# Altium PCB ChipTestBoardQFN32-r2.PcbDoc
Units mm, origin at the board's own origin, x right, y up, seen from the top; angles counter-clockwise.
Board outline 65.75 x 45.25 mm, 4 copper layers (Top Layer, Layer 1, Layer 2, Bottom Layer), stack 1.446 mm thick; 112 components, 78 nets, 337 pads, 220 vias.
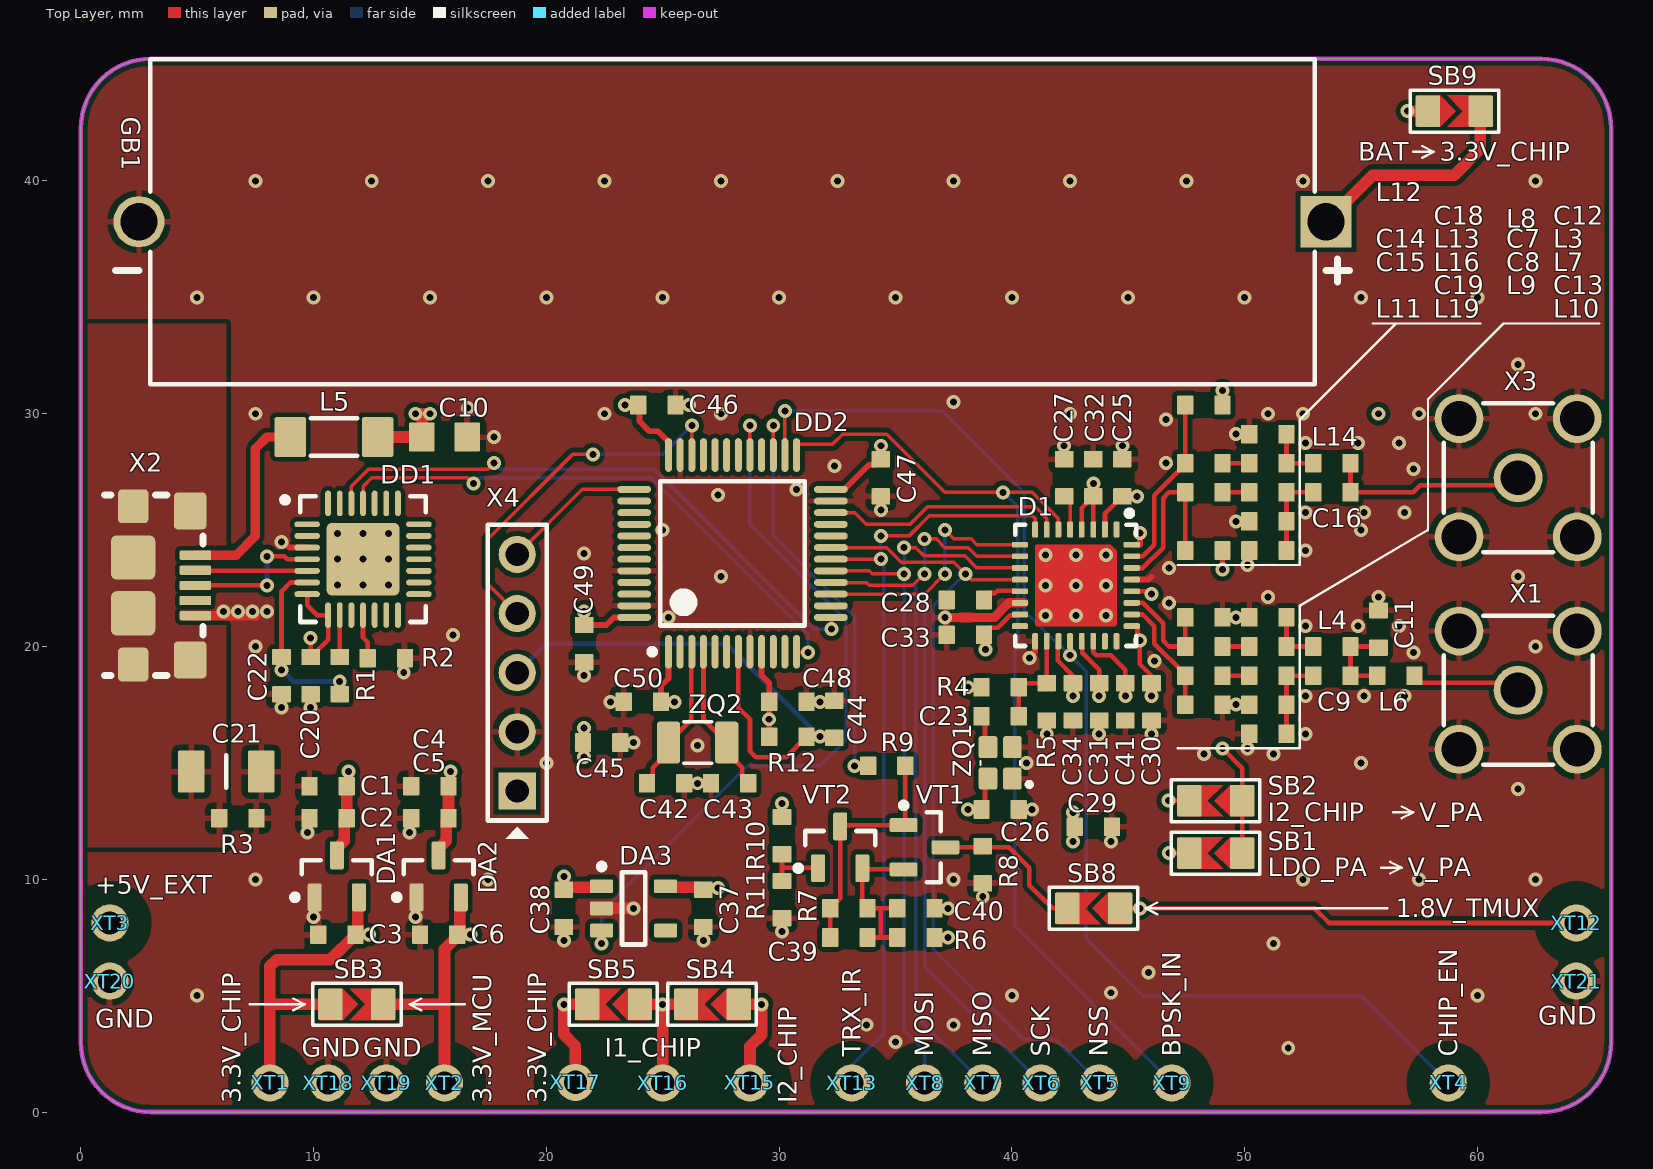
[diagram p0: Top Layer view]
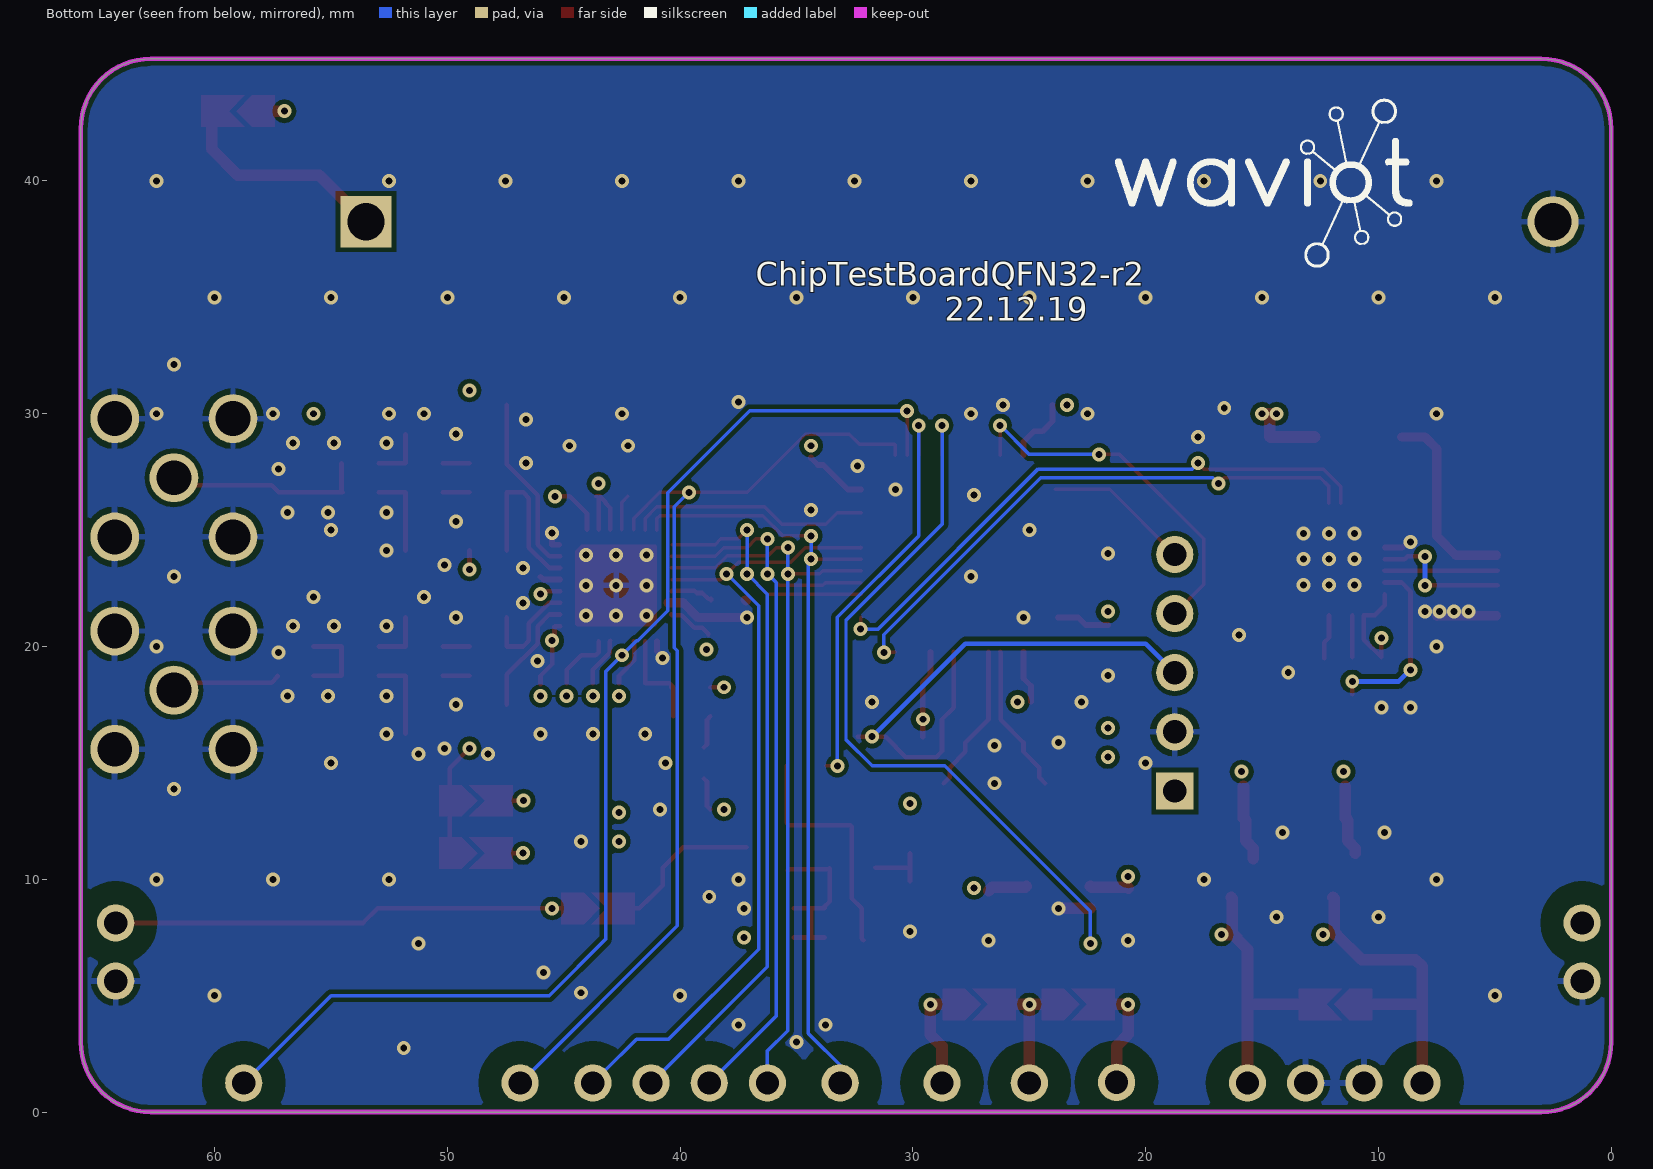
[diagram p1: Bottom Layer view, seen from below]
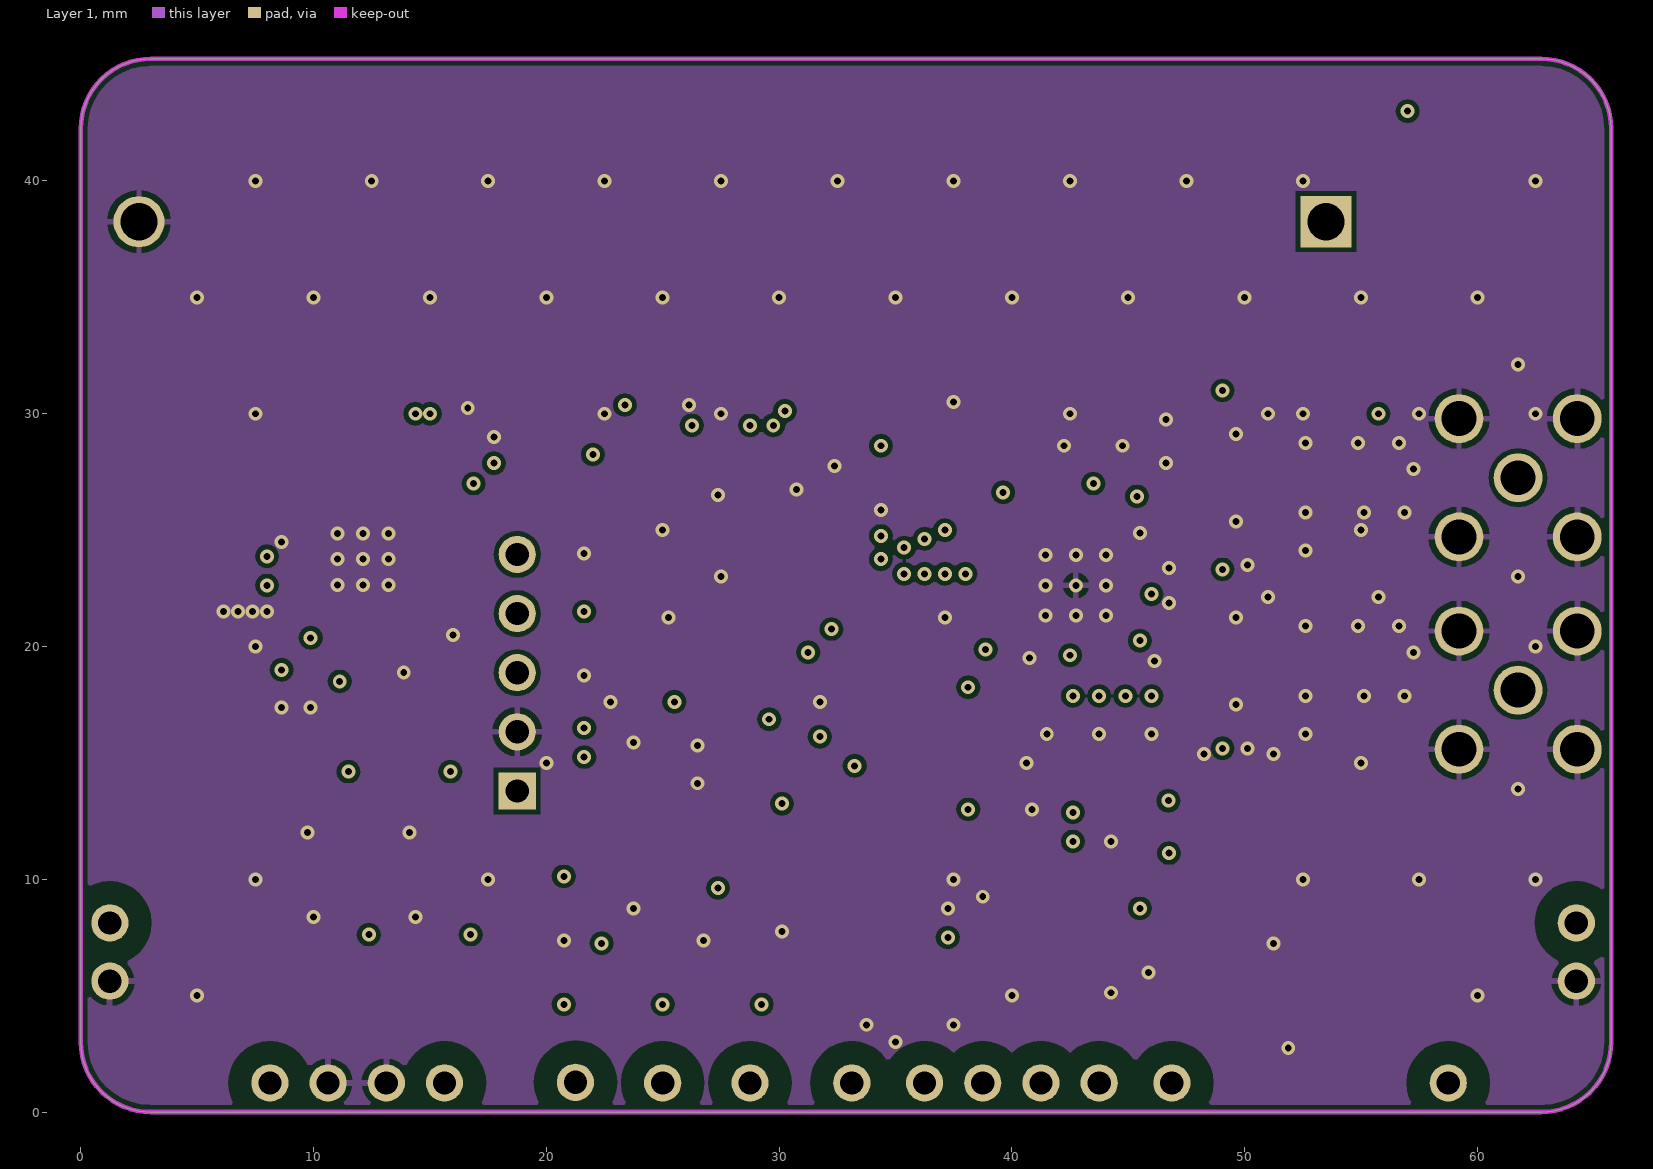
[diagram p2: Layer 1]
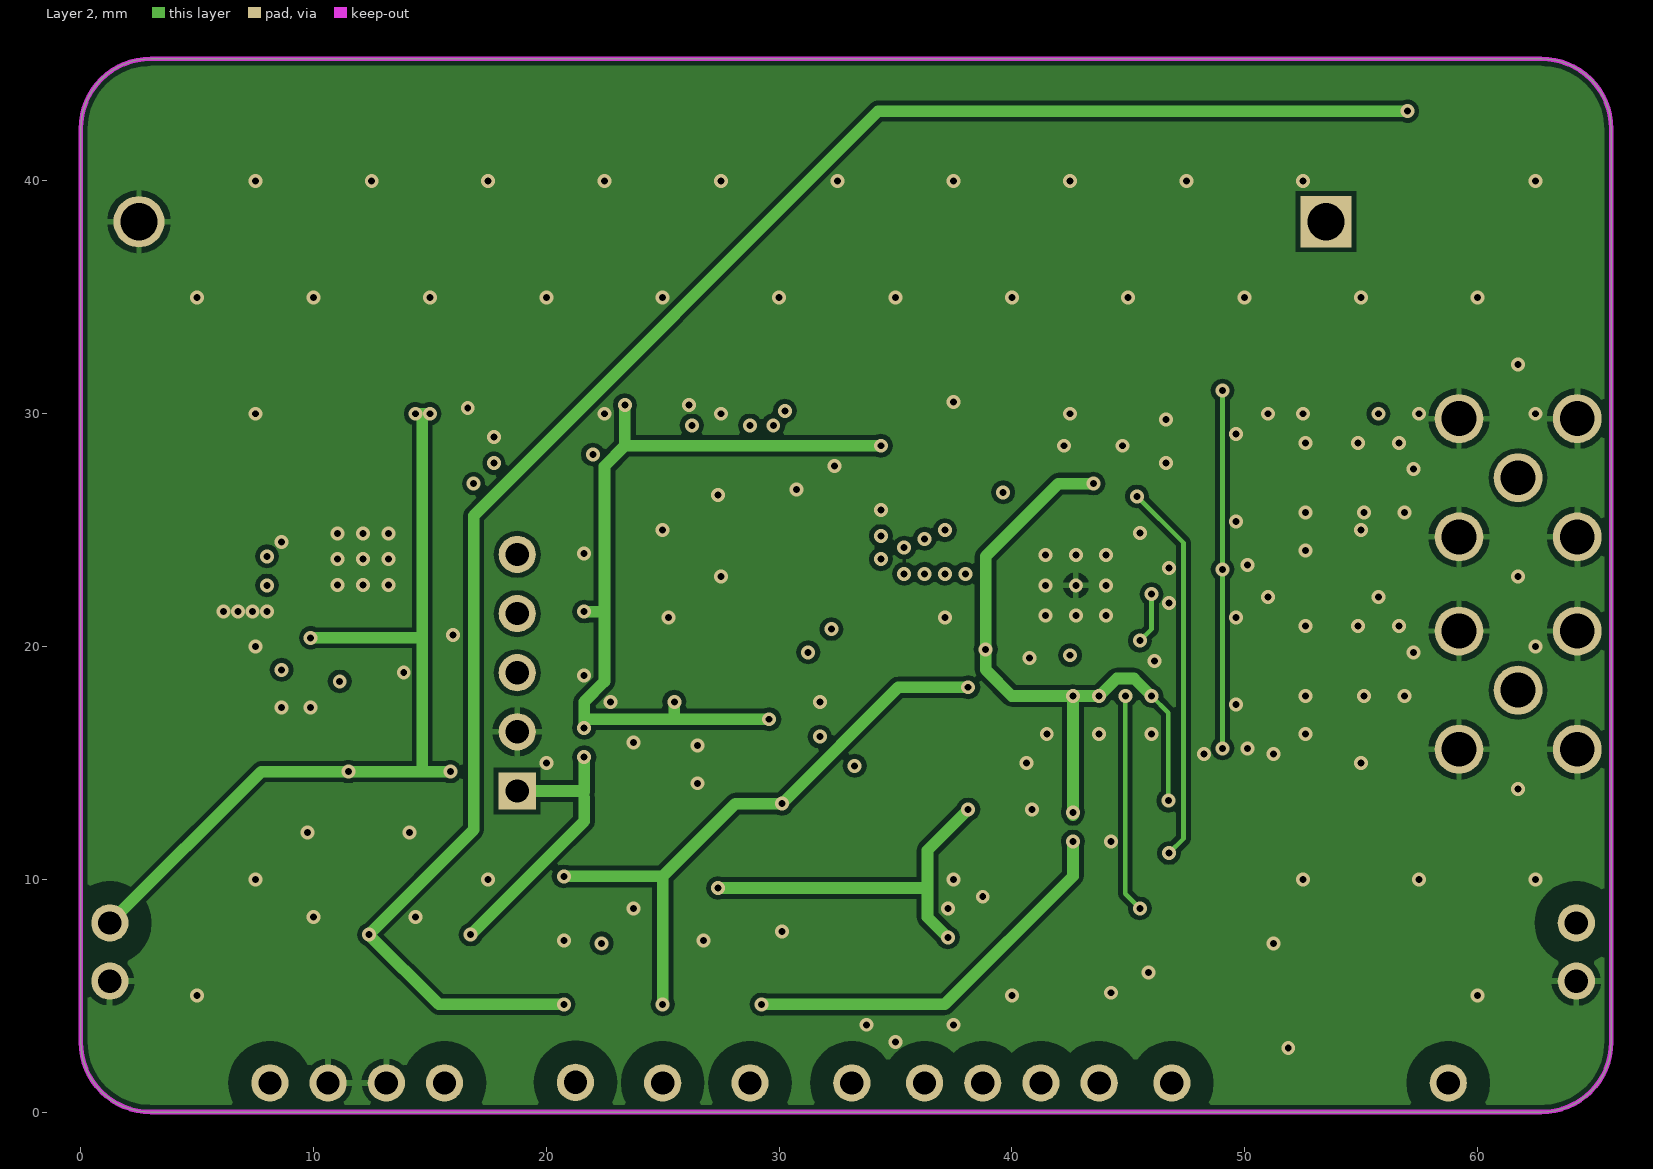
[diagram p3: Layer 2]
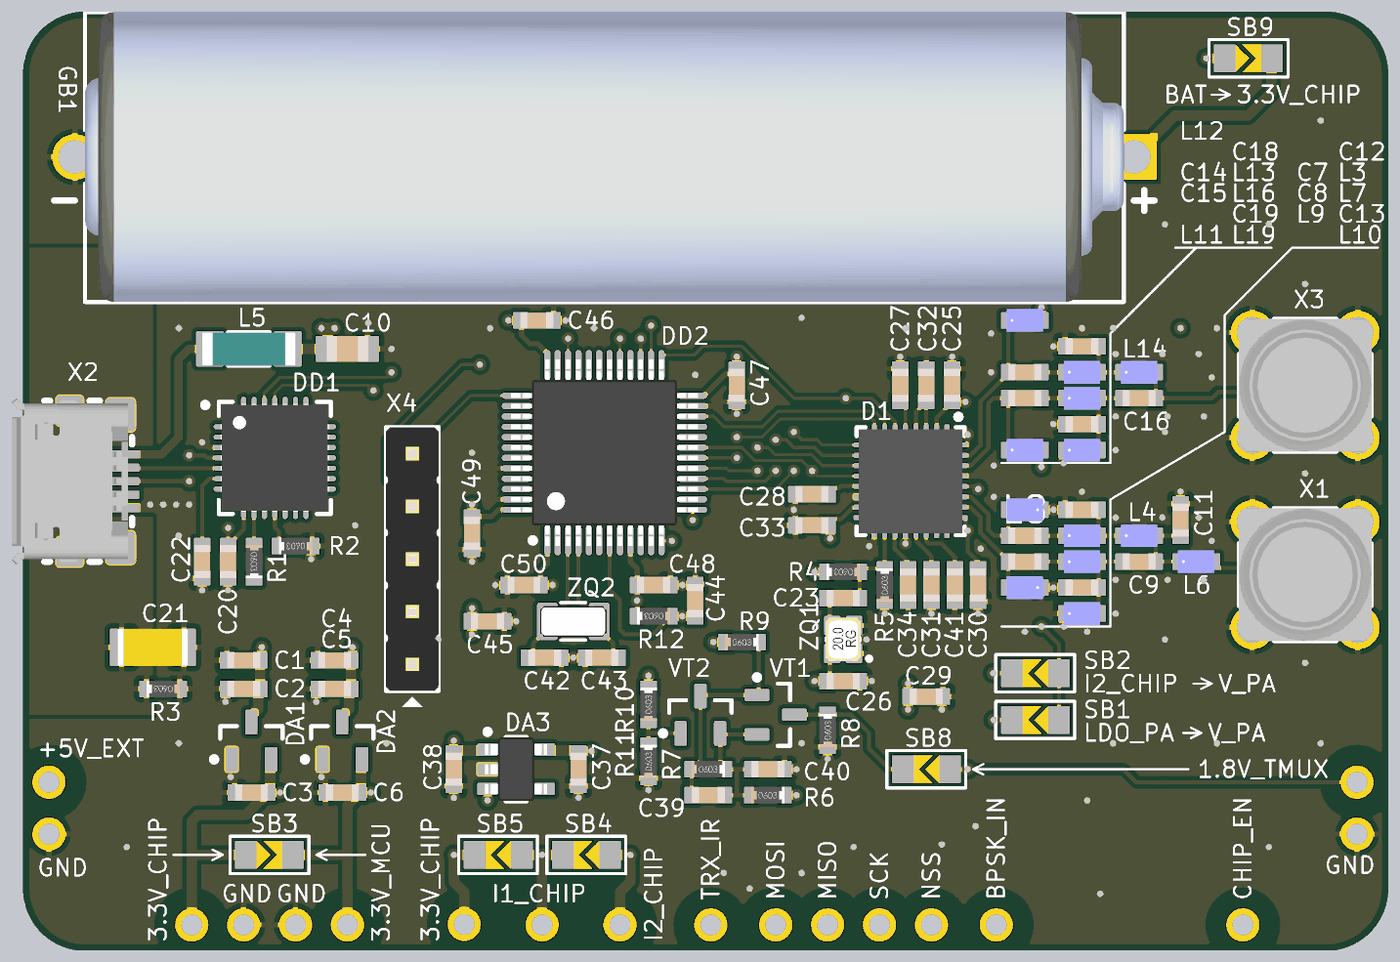
[diagram p4: 3D render of the assembled board from above, using the file's embedded part models]

## Layer stack, top to bottom
Top Solder: solder mask 0.0102, Solder Resist, Dk 3.5
Top Layer: signal copper 0.035
Dielectric 2: prepreg 0.32, PP-006, Dk 4.1
Layer 1: signal copper 0.018
Dielectric 1: dielectric 0.7, FR-4, Dk 4.8
Layer 2: signal copper 0.018
Dielectric 3: prepreg 0.32, PP-006, Dk 4.1
Bottom Layer: signal copper 0.035
Bottom Solder: solder mask 0.0102, Solder Resist, Dk 3.5

## Board outline
3,0 cw(c3,3) 0,3 0,42.25 cw(c3,42.25) 3,45.25 62.75,45.25 cw(c62.75,42.25) 65.75,42.25 65.75,3 cw(c62.75,3) 62.75,0

## Design rules (kind name [scope] priority, off if disabled: settings)
Clearance Clearance_SOLD_PAD [InComponent('XT1','XT2','XT3','XT4','XT5','XT6','XT7','XT8','XT9','XT10','XT11','XT12','XT13','XT14','XT15','XT16','XT17','XT18','XT19','XT20','XT21')] p1: gap=0.125 ignorepadtopadclearanceinfootprint=FALSE except(0: Arc-Hole Track-Hole SMDPad-Hole THPad-Hole Via-Hole Fill-Hole Poly-Hole Region-Hole Text-Hole; 1: Arc-Fill Arc-Poly Arc-Region Track-Fill Track-Poly Track-Region SMDPad-Fill SMDPad-Poly SMDPad-Region THPad-Fill THPad-Poly THPad-Region Via-Fill Via-Poly Via-Region Fill-Fill Fill-Poly Fill-Region Poly-Poly Poly-Region Region-Region)
Clearance [All] p2: gap=0.125 ignorepadtopadclearanceinfootprint=FALSE except(0: Arc-Hole Track-Hole SMDPad-Hole THPad-Hole Via-Hole Fill-Hole Poly-Hole Region-Hole Text-Hole; 0.2: Arc-Fill Arc-Poly Arc-Region Track-Fill Track-Poly Track-Region SMDPad-Fill SMDPad-Poly SMDPad-Region THPad-Fill THPad-Poly THPad-Region Via-Fill Via-Poly Via-Region Fill-Fill Fill-Poly Fill-Region Poly-Poly Poly-Region Region-Region)
ComponentClearance [All] p1: gap=0.125 collisioncheckmode=3 verticalgap=0.254 showdistances=FALSE
MinimumSolderMaskSliver [All] p1: minsoldermaskwidth=0.05
PolygonConnect PolygonConnect_DC/DC [InComponent('DA1','DA2','DA3','X2')] p1: connectstyle=Direct reliefconductorwidth=0.254 reliefentries=4 polygonreliefangle="90 Angle" airgapwidth=0.254
PolygonConnect [All] p2: thpad.connectstyle=Relief thpad.reliefconductorwidth=0.254 thpad.reliefentries=4 thpad.polygonreliefangle="90 Angle" thpad.airgapwidth=0.254 smdpad.connectstyle=Relief smdpad.reliefconductorwidth=0.254 smdpad.reliefentries=4 smdpad.polygonreliefangle="90 Angle" smdpad.airgapwidth=0.254 via.connectstyle=Direct via.reliefconductorwidth=0.254 via.reliefentries=4 via.polygonreliefangle="90 Angle" via.airgapwidth=0.254
RoutingVias [All] p1: holewidth=0.3 width=0.6 viastyle="Through Hole" minholewidth=0.3 minwidth=0.6 maxholewidth=1.2 maxwidth=1.5
SilkToSilkClearance [All] p1: silktosilkclearance=0
SilkToSolderMaskClearance [IsPad] p1: minsilkscreentomaskgap=0.05 clearancetoexposedcopper=TRUE
SolderMaskExpansion [All] p1: expansion=0.05
Width [All] p1: maxlimit=0.5 minlimit=0.125 preferedwidth=0.25
26 further rules are at their usual default settings.

## Components (designator, comment, footprint, x,y, rotation, side; value= is the part's Value field where it differs from the comment)
C1 "1u 16V" C0603 10.625,14 r0 top
C2 "0.1u 16V" C0603 10.625,12.625 r0 top
C3 "0.1u 16V" C0603 11,7.625 r0 top
C4 "1u 16V" C0603 15,14 r0 top
C5 "0.1u 16V" C0603 15,12.625 r0 top
C6 "0.1u 16V" C0603 15.375,7.625 r0 top
C7 "2.7p 50V" C0603 48.25,20 r0 top
C8 "2.7p 50V" C0603 48.25,18.75 r0 top
C9 "2.7p 50V" C0603 53.75,18.75 r0 top
C10 "10u 10V" C0805 15.625,29 r180 top
C11 "5.1p 50V" C0603 55.75,20.75 r270 top
C12 "6.2p 50V" C0603 51,21.25 r180 top
C13 "3.6p 50V" C0603 51,17.5 r180 top
C14 "100p 50V" C0603 48.25,27.875 r0 top
C15 "100p 50V" C0603 48.25,26.625 r0 top
C16 "2.7p 50V" C0603 53.75,26.625 r0 top
C18 "6.2p 50V" C0603 51,29.125 r180 top
C19 "3.6p 50V" C0603 51,25.375 r180 top
C20 "0.1u 16V" C0603 9.875,18.75 r90 top
C21 "0.01u 1000V" C1206 6.25,14.625 r0 top
C22 "0.1u 16V" C0603 8.625,18.75 r90 top
C23 "1000p 50V" C0603 39.5,17 r180 top
C25 "0.1u 16V" C0603 44.75,27.25 r270 top
C26 "0.1u 16V" C0603 39.5,13 r180 top
C27 "0.1u 16V" C0603 42.25,27.25 r270 top
C28 "0.1u 16V" C0603 38,22 r0 top
C29 "4.7u 10V" C0603 43.5,12.25 r180 top
C30 "0.1u 16V" C0603 46,17.625 r90 top
C31 "0.1u 16V" C0603 43.75,17.625 r90 top
C32 "0.1u 16V" C0603 43.5,27.25 r270 top
C33 "0.1u 16V" C0603 38,20.5 r0 top
C34 "0.1u 16V" C0603 42.625,17.625 r90 top
C37 "1u 16V" C0603 26.75,8.75 r90 top
C38 "1u 16V" C0603 20.75,8.75 r90 top
C39 "0.1u 16V" C0603 33,7.5 r0 top
C40 "0.1u 16V" C0603 35.875,8.75 r180 top
C41 "1000p 50V" C0603 44.875,17.625 r270 top
C42 "7.5p 50V" C0603 25.125,14.125 r180 top
C43 "7.5p 50V" C0603 27.875,14.125 r0 top
C44 "0.01u 50V" C0603 32.375,16.875 r270 top
C45 "4.7u 10V" C0603 22.375,15.875 r180 top
C46 "0.1u 16V" C0603 24.75,30.375 r180 top
C47 "0.1u 16V" C0603 34.375,27.25 r90 top
C48 "0.1u 16V" C0603 30.375,17.625 r180 top
C49 "0.1u 16V" C0603 21.625,20.125 r90 top
C50 "0.1u 16V" C0603 24.125,17.625 r0 top
D1 "SWS1470-A0 QFN32" QFN32 42.75,22.625 r270 top
DA1 "AP2210N-3.3TRG1" SOT23-3L 11,10.125 r0 top
DA2 "AP2210N-3.3TRG1" SOT23-3L 15.375,10.125 r0 top
DA3 "AP2127K-1.8TRG1" SOT23-5 23.75,8.75 r270 top
DD1 "CP2102-GMR" QFN28 12.125,23.75 r0 top
DD2 "STM32L071CBT6" LQFP48_L 28,24 r90 top
GB1 "3.0V 2000mAh" BAT14505-Board 28,38.25 r180 top locked
L3 "18nH" L0603_LQW 51,20 r0 top
L4 "12nH" L0603_LQW 53.75,20 r0 top
L5 "110R 4A" L1806 10.875,29 r0 top
L6 "6.8nH" L0603_LQW 56.5,18.75 r0 top
L7 "18nH" L0603_LQW 51,18.75 r0 top
L8 "18nH" L0603_LQW 48.25,21.25 r180 top
L9 "18nH" L0603_LQW 48.25,17.5 r180 top
L10 "12nH" L0603_LQW 51,16.25 r0 top
L11 "82nH" L0603_LQW 48.25,24.125 r0 top
L12 "82nH" L0603_LQW 48.25,30.375 r0 top
L13 "12nH" L0603_LQW 51,27.875 r0 top
L14 "12nH" L0603_LQW 53.75,27.875 r0 top
L16 "12nH" L0603_LQW 51,26.625 r0 top
L19 "12nH" L0603_LQW 51,24.125 r0 top
R1 "10k 1%" R0603 11.125,18.75 r270 top
R2 "10k 1%" R0603 13.125,19.5 r180 top
R3 "1M 1%" R0603 6.75,12.625 r180 top
R4 "1M 1%" R0603 39.5,18.25 r180 top
R5 "1M 1%" R0603 41.5,17.625 r90 top
R6 "10R 1%" R0603 35.875,7.5 r0 top
R7 "100k 1%" R0603 33,8.75 r0 top
R8 "1k 1%" R0603 38.75,10.625 r90 top
R9 "4.3k 5%" R0603 34.625,14.875 r0 top
R10 "15k 1%" R0603 30.125,11.875 r90 top
R11 "10k 1%" R0603 30.125,9.125 r90 top
R12 "10k 1%" R0603 30.375,16.125 r180 top
SB1 "Jumper Solder" SB0805 48.75,11.125 r180 top
SB2 "Jumper Solder" SB0805 48.75,13.375 r180 top
SB3 "Jumper Solder" SB0805 11.875,4.625 r0 top
SB4 "Jumper Solder" SB0805 27.125,4.625 r180 top
SB5 "Jumper Solder" SB0805 22.875,4.625 r180 top
SB8 "Jumper Solder" SB0805 43.5,8.75 r180 top
SB9 "Jumper Solder" SB0805 59.025,43 r0 top
VT1 "IRLML2246TRPBF" SOT23-3L 36.25,11.375 r270 top
VT2 "MMBT2907ALT1G" SOT23-3L 32.625,11.375 r0 top
X1 "5-1814832-1" 5-1814832-1 61.75,18.125 r90 top
X2 "1981568-1" 1981568-1 2.25,22.625 r270 top locked
X3 "5-1814832-1" 5-1814832-1 61.75,27.25 r90 top
X4 "PLS-5" PLS-5-2.54-PCB 18.75,18.875 r90 top
XT1 "3.3V_MCU" PAD-d1.0-x1.6-y1.6 8.125,1.25 r0 top
XT2 "3.3V_CHIP" PAD-d1.0-x1.6-y1.6 15.625,1.25 r90 top
XT3 "+5V_EXT" PAD-d1.0-x1.6-y1.6 1.25,8.125 r0 top
XT4 "CHIP_EN" PAD-d1.0-x1.6-y1.6 58.75,1.25 r90 top
XT5 "NSS" PAD-d1.0-x1.6-y1.6 43.75,1.25 r90 top
XT6 "SCK" PAD-d1.0-x1.6-y1.6 41.25,1.25 r90 top
XT7 "MISO" PAD-d1.0-x1.6-y1.6 38.75,1.25 r90 top
XT8 "MOSI" PAD-d1.0-x1.6-y1.6 36.25,1.25 r90 top
XT9 "BPSK_IN" PAD-d1.0-x1.6-y1.6 46.875,1.25 r90 top
XT12 "1.8V_TMUX" PAD-d1.0-x1.6-y1.6 64.25,8.125 r90 top
XT13 "TRX_IR" PAD-d1.0-x1.6-y1.6 33.125,1.25 r90 top
XT15 "I2_CHIP" PAD-d1.0-x1.6-y1.6 28.75,1.25 r90 top
XT16 "I1_CHIP" PAD-d1.0-x1.6-y1.6 25,1.25 r90 top
XT17 "3.3V_CHIP" PAD-d1.0-x1.6-y1.6 21.25,1.277 r90 top
XT18 "GND" PAD-d1.0-x1.6-y1.6 10.625,1.25 r90 top
XT19 "GND" PAD-d1.0-x1.6-y1.6 13.125,1.25 r90 top
XT20 "GND" PAD-d1.0-x1.6-y1.6 1.25,5.625 r180 top
XT21 "GND" PAD-d1.0-x1.6-y1.6 64.25,5.625 r90 top
ZQ1 "26MHz 2ppm" QSMD2.0x1.6x0.7 39.5,15 r90 top
ZQ2 "32.768 kHz" QSMD3.2X1.5X0.8 26.5,15.875 r0 top
